# Allegro board 8880F5-0823_1_redwan.brd (continued)
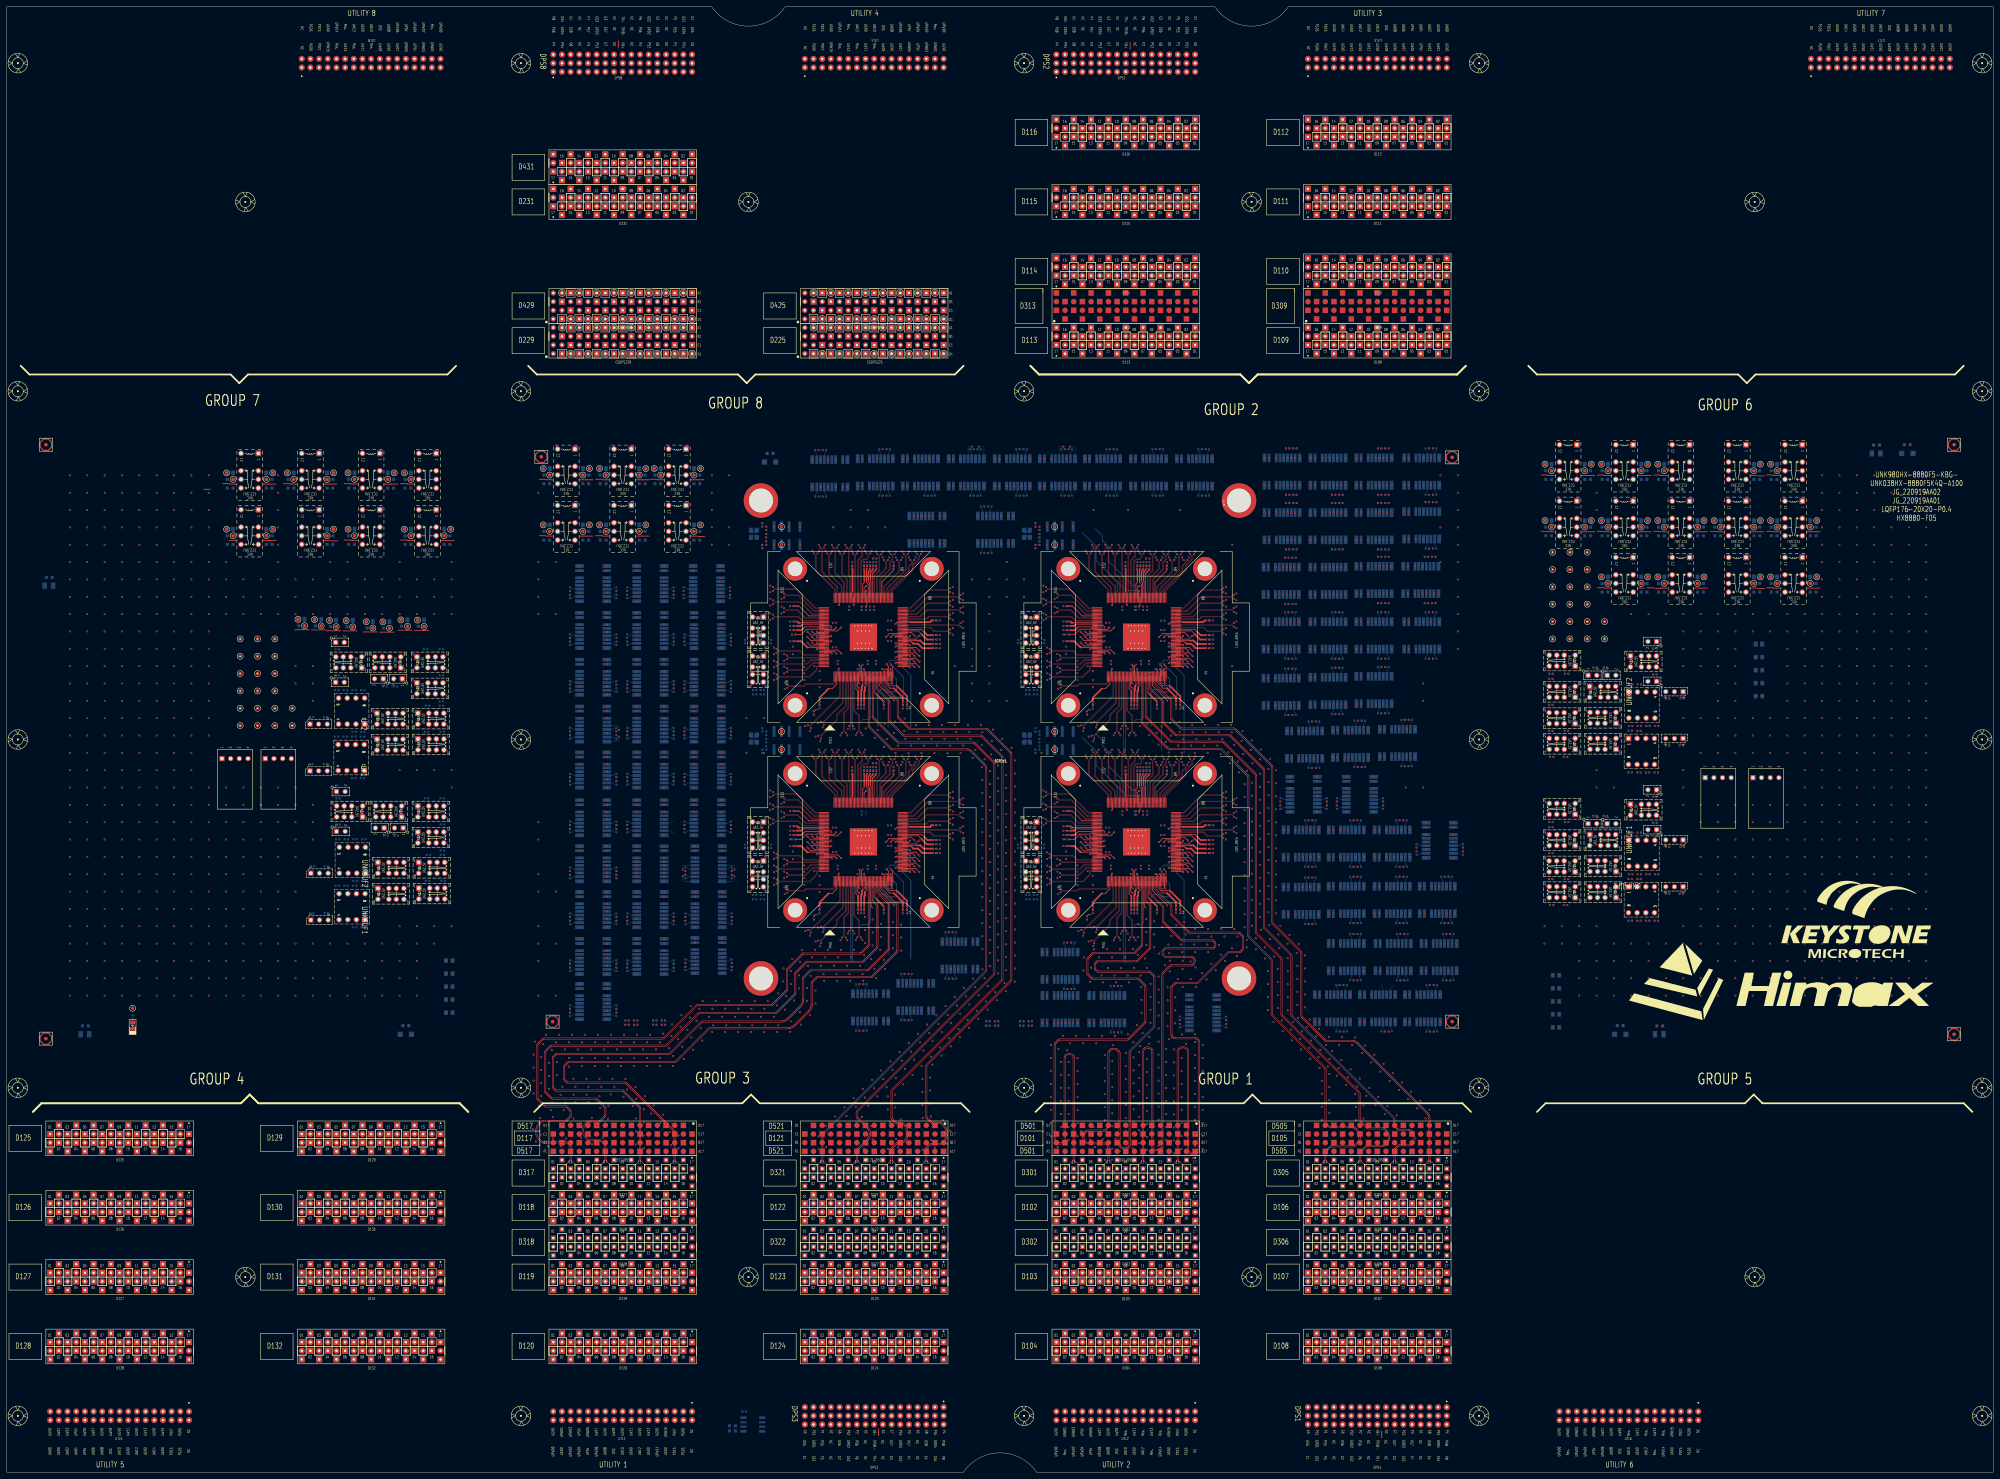
[diagram p0: board, top side]
## Routing (per net, layer and track width the routed paths; a pad name or vN(x,y) marks a point on that pad's centre or on a via; arc(x,y) is an arc through that point) (continued)
D12612: length 457
  TOP w0.086: v1(246.65,218.55) 247.11,219 247.11,231.4 247.03,231.48 SITE1.13
  L03_SIGNAL w0.071: D126.12 39.6,79.78 38.35,79.78 37.48,80.65 37.48,85.29 39.34,87.15 54.21,87.15 61.45,94.39 61.45,117.44 49.94,128.95 49.94,198.03 85.73,233.83 194.82,233.83 196.62,232.02 196.62,230.52 196.37,230.27 195.73,230.27 v1(195.26,230.74)
  L28_SIGNAL w0.071: v1(246.65,218.55) 247.13,218.07 247.13,217.56 246.77,217.2 246.09,217.2 245.71,217.59 243.47,217.59 242.38,216.5 236.74,216.5 235.37,215.13 214.6,215.13 212.49,213.02 167.41,213.02 165.61,214.81 165.61,224.86 167.03,226.28 195.25,226.28 196.93,227.95 196.93,229.52 196.18,230.27 195.73,230.27 v1(195.26,230.74)
D12613: length 457
  TOP w0.086: SITE1.10 245.83,231.48 245.75,231.4 245.75,224.32 243.1,221.66 243.1,220.24 238.42,215.56 v1(238.42,214.92)
  L03_SIGNAL w0.071: D126.13 45.23,74.15 45.23,71.86 47.21,69.88 52.15,69.88 66.84,84.58 66.84,190.42 85.18,208.76 85.18,221.34 87.45,223.61 105.31,223.61 108.02,226.32 165.38,226.32 169.14,230.07 173.48,230.07 174.33,230.92 176.17,230.92 177.02,230.07 178.03,230.07 v2(178.5,229.6)
  L28_SIGNAL w0.071: v2(178.5,229.6) 178.97,230.07 179.34,230.07 179.72,229.69 179.72,229.07 179.3,228.65 141.59,228.65 138.15,225.21 138.15,214.82 142.65,210.31 157.67,210.31 159.06,211.71 214.09,211.71 215.64,213.25 236.09,213.25 237.75,214.92 v1(238.42,214.92)
D12614: length 457
  TOP w0.086: v1(245.68,216.6) 245.23,217.05 245.23,222.4 246.55,223.72 246.55,231.4 246.63,231.48 SITE1.12
  L03_SIGNAL w0.071: v2(164.91,229.6) 165.38,230.07 166.05,230.07 166.4,230.42 166.4,231.75 165.93,232.22 131.47,232.22 128.63,229.38 87.29,229.38 73.92,216.01 73.92,209.06 54.81,189.94 54.81,128.57 64.18,119.21 64.18,94.46 54.19,84.47 48.34,84.47 46.76,82.89 46.76,79.78 D126.14
  L28_SIGNAL w0.071: v2(164.91,229.6) 165.38,230.07 165.85,230.07 166.65,230.86 166.65,233 165.81,233.83 135.49,233.83 131.77,230.11 131.77,213.89 136.36,209.3 158.83,209.3 159.56,210.03 214.63,210.03 217.06,212.46 242.86,212.46 245.21,214.8 245.21,216.12 v1(245.68,216.6)
D12615: length 457
  TOP w0.086: SITE1.9 245.43,231.48 245.51,231.4 245.51,224.41 242.86,221.76 242.86,220.34 238.25,215.73 v1(237.61,215.73)
  L03_SIGNAL w0.071: v2(178.5,230.74) 178.03,230.27 177.1,230.27 176.25,231.12 174.25,231.12 173.4,230.27 169.05,230.27 165.3,226.51 107.94,226.51 105.23,223.81 87.37,223.81 84.98,221.42 84.98,208.84 66.65,190.5 66.65,84.66 52.06,70.08 47.29,70.08 45.43,71.94 45.43,74.01 46.56,75.14 47.2,75.14 D126.15
  L28_SIGNAL w0.071: v1(237.61,215.73) 237.61,215.06 236,213.45 215.56,213.45 214.01,211.9 158.98,211.9 157.58,210.51 142.73,210.51 138.35,214.9 138.35,225.13 141.67,228.45 179.38,228.45 179.92,228.99 179.92,229.77 179.42,230.27 178.97,230.27 v2(178.5,230.74)
D12616: length 457
  TOP w0.086: SITE1.11 246.23,231.48 246.31,231.4 246.31,223.82 244.99,222.5 244.99,217.05 v1(244.54,216.6)
  L03_SIGNAL w0.071: D126.16 49.71,79.83 47.2,79.83 46.95,80.08 46.95,82.8 48.42,84.27 54.27,84.27 64.37,94.37 64.37,119.29 55.01,128.66 55.01,189.86 74.12,208.98 74.12,215.93 87.37,229.18 128.71,229.18 131.55,232.02 165.85,232.02 166.2,231.67 166.2,230.5 165.97,230.27 165.38,230.27 v2(164.91,230.74)
  L28_SIGNAL w0.071: v2(164.91,230.74) 165.38,230.27 165.77,230.27 166.45,230.94 166.45,232.91 165.73,233.63 135.57,233.63 131.97,230.03 131.97,213.97 136.44,209.5 158.74,209.5 159.48,210.23 214.55,210.23 216.97,212.65 242.78,212.65 245.01,214.89 245.01,216.12 v1(244.54,216.6)
D12901: length 413.5
  TOP w0.086: SITE3.175 237.68,176.43 237.6,176.35 237.38,176.35 237.01,175.98 237.01,175.08 235.09,173.16 225.91,173.16 v1(225.46,173.61)
  L03_SIGNAL w0.071: D129.01 87.74,95.14 89.35,95.14 89.62,94.86 89.62,92.63 87.22,90.23 84.49,90.23 81.33,93.39 81.33,169.51 92.44,180.62 197.15,180.62 200.7,177.07 200.7,176.28 200.08,175.66 199.16,175.66 v1(198.69,176.13)
  L28_SIGNAL w0.071: v1(198.69,176.13) 199.16,175.66 200.38,175.66 201.76,174.27 201.76,173.32 200.18,171.74 173.69,171.74 171.54,173.89 132.04,173.89 131.59,173.43 131.59,171.94 132.19,171.34 211.21,171.34 213.14,169.41 221.85,169.41 222.72,170.28 222.72,172.09 223.77,173.14 224.98,173.14 v1(225.46,173.61)
D12902: length 413.5
  TOP w0.086: v1(228.38,178.12) 228.77,178.5 237.61,178.5 237.68,178.43 SITE3.170
  L03_SIGNAL w0.071: v1(198.69,161.52) 199.16,162 199.44,162 199.91,162.47 199.91,168.58 196.26,172.24 162.48,172.24 161.65,173.07 95.9,173.07 87.16,164.33 87.16,111.42 90.85,107.73 90.85,101.01 D129.02
  L28_SIGNAL w0.071: v1(198.69,161.52) 199.16,162 200.16,162 203.24,158.92 216.51,158.92 225.71,168.12 227.88,168.12 229.82,170.06 229.82,171.64 229.38,172.08 227.61,172.08 226.3,173.39 226.3,174.33 225.62,175.01 224.39,175.01 222.18,177.23 217.51,177.23 213.98,173.7 207.44,173.7 203.45,177.68 196.52,177.68 193.04,181.16 167.13,181.16 163.65,184.64 163.65,195.45 169.63,201.43 213.01,201.43 219.9,194.54 219.9,182.14 223.46,178.59 227.91,178.59 v1(228.38,178.12)
D12903: length 413.5
  TOP w0.086: v1(225.46,172.46) 225.91,172.92 235.19,172.92 237.25,174.98 237.25,175.88 237.48,176.11 237.6,176.11 237.68,176.03 SITE3.176
  L03_SIGNAL w0.071: D129.03 89.82,94.9 89.82,92.55 87.3,90.03 84.4,90.03 81.13,93.3 81.13,169.59 92.36,180.82 197.23,180.82 200.9,177.15 200.9,176.2 200.16,175.46 199.16,175.46 v1(198.69,174.99)
  L28_SIGNAL w0.071: v1(198.69,174.99) 199.16,175.46 200.29,175.46 201.56,174.19 201.56,173.4 200.09,171.94 173.77,171.94 171.62,174.09 131.96,174.09 131.39,173.52 131.39,171.86 132.11,171.14 211.12,171.14 213.05,169.21 221.93,169.21 222.92,170.2 222.92,172.01 223.85,172.94 224.98,172.94 v1(225.46,172.46)
D12904: length 413.5
  TOP w0.086: SITE3.169 237.68,178.83 237.59,178.74 228.9,178.74 v1(228.38,179.26)
  L03_SIGNAL w0.071: v1(198.69,162.67) 199.16,162.2 199.35,162.2 199.71,162.55 199.71,168.5 196.18,172.04 162.4,172.04 161.57,172.87 95.99,172.87 87.36,164.24 87.36,111.5 91.05,107.81 91.05,101.09 91.4,100.73 92.31,100.73 D129.04
  L28_SIGNAL w0.071: v1(228.38,179.26) 227.91,178.79 227.49,178.79 223.54,178.79 220.1,182.23 220.1,194.62 213.09,201.63 169.55,201.63 163.45,195.53 163.45,184.55 167.04,180.96 192.96,180.96 196.43,177.49 203.37,177.49 207.35,173.5 214.06,173.5 217.59,177.03 222.1,177.03 224.31,174.82 225.54,174.82 226.1,174.25 226.1,173.3 227.52,171.88 229.3,171.88 229.62,171.56 229.62,170.14 227.8,168.32 225.63,168.32 216.43,159.12 203.32,159.12 200.24,162.2 199.16,162.2 v1(198.69,162.67)
D12905: length 413.5
  TOP w0.086: v1(225.39,176.18) 225.85,176.63 234.38,176.63 235.46,177.71 237.6,177.71 237.68,177.63 SITE3.172
  L03_SIGNAL w0.071: v1(212.28,174.99) 211.81,175.46 210.61,175.46 203.43,182.64 108.95,182.64 106.98,184.61 91.02,184.61 76.66,170.25 76.66,91.78 81.25,87.19 95.17,87.19 99.39,91.42 99.39,94.69 99.02,95.07 97.97,95.07 D129.05
  L28_SIGNAL w0.071: v1(225.39,176.18) 224.92,176.65 223.64,176.65 222.52,177.77 220.56,177.77 219.7,178.63 219.7,180.12 218.66,181.17 216.8,181.17 215.39,182.58 215.39,194.69 211.11,198.97 169.98,198.97 169.06,198.04 169.06,186.49 171.13,184.42 210.61,184.42 215.24,179.8 215.24,176.44 214.26,175.46 212.75,175.46 v1(212.28,174.99)
D12906: length 413.5
  TOP w0.086: v1(228.4,174.39) 228.85,174.85 234.04,174.85 236.1,176.91 237.6,176.91 237.68,176.83 SITE3.174
  L03_SIGNAL w0.071: D129.06 100.99,100.99 100.99,153.39 112.74,165.14 182.31,165.14 183.11,164.34 183.11,162.39 182.72,162 182.15,162 v1(181.67,161.52)
  L28_SIGNAL w0.071: v1(181.67,161.52) 182.15,162 183.29,162 185.6,164.3 185.6,165.07 185,165.66 118.89,165.66 118.01,166.54 118.01,205.13 119.16,206.28 222.41,206.28 225.8,202.89 225.8,191.4 228,189.2 228,181.65 229.36,180.29 229.36,177.55 228.92,177.12 227.34,177.12 226.81,176.59 226.81,175.35 227.29,174.87 227.93,174.87 v1(228.4,174.39)
D12907: length 413.5
  TOP w0.086: SITE3.171 237.68,178.03 237.6,177.95 235.37,177.95 234.29,176.87 225.85,176.87 v1(225.39,177.32)
  L03_SIGNAL w0.071: v1(212.28,176.13) 211.81,175.66 210.69,175.66 203.51,182.84 109.04,182.84 107.06,184.81 90.94,184.81 76.46,170.34 76.46,91.7 81.17,86.99 95.25,86.99 99.59,91.33 99.59,94.51 D129.07
  L28_SIGNAL w0.071: v1(225.39,177.32) 224.92,176.85 223.72,176.85 222.6,177.97 220.65,177.97 219.9,178.71 219.9,180.2 218.74,181.36 216.88,181.36 215.58,182.66 215.58,194.78 211.19,199.17 169.9,199.17 168.86,198.13 168.86,186.41 171.04,184.23 210.53,184.23 215.04,179.71 215.04,176.52 214.17,175.66 212.75,175.66 v1(212.28,176.13)
D12908: length 413.5
  TOP w0.086: SITE3.173 237.68,177.23 237.6,177.15 236,177.15 233.94,175.08 228.85,175.08 v1(228.4,175.54)
  L03_SIGNAL w0.071: v1(181.67,162.67) 182.15,162.2 182.64,162.2 182.91,162.47 182.91,164.26 182.23,164.94 112.82,164.94 101.19,153.31 101.19,101.06 101.69,100.57 102.63,100.57 D129.08
  L28_SIGNAL w0.071: v1(228.4,175.54) 227.93,175.06 227.38,175.06 227.01,175.44 227.01,176.5 227.42,176.92 229,176.92 229.55,177.47 229.55,180.37 228.19,181.73 228.19,189.29 226,191.48 226,202.97 222.5,206.48 119.08,206.48 117.81,205.21 117.81,166.45 118.8,165.46 184.92,165.46 185.4,164.98 185.4,164.38 183.21,162.2 182.15,162.2 v1(181.67,162.67)
D12909: length 457
  TOP w0.086: SITE3.12 246.63,171.48 246.55,171.4 246.55,163.72 245.23,162.4 245.23,157.05 v1(245.68,156.6)
  L03_SIGNAL w0.071: D129.09 108.77,94.43 108.77,91.4 110.78,89.39 128.28,89.39 132.5,93.61 132.5,138.32 145.35,151.16 177.31,151.16 180.2,148.28 181.2,148.28 v1(181.67,147.81)
  L28_SIGNAL w0.071: v1(245.68,156.6) 245.21,156.12 245.21,155.03 244.78,154.6 243.79,154.6 243.16,155.24 243.16,158.77 244.28,159.88 262.53,159.88 265,162.36 265,202.47 264.3,203.17 240.75,203.17 239.1,201.52 239.1,163.6 235.47,159.98 232.06,159.98 229.77,157.69 153.2,157.69 152.72,157.21 152.72,156.16 153.24,155.64 199.73,155.64 200.04,155.95 203.96,155.95 204.88,155.03 204.88,152.31 204.1,151.52 186.79,151.52 183.55,148.28 182.15,148.28 v1(181.67,147.81)
D12910: length 413.5
  TOP w0.086: SITE3.2 242.63,171.48 242.55,171.4 242.55,171.18 242.13,170.76 234.03,170.76 233.52,170.25 228.97,170.25 v1(228.51,169.79)
  L03_SIGNAL w0.071: D129.10 111.59,101.43 111.59,106.32 113.23,107.96 113.23,157.14 112.86,157.51 111.56,157.51 111.06,157.01 111.06,108.91 110.39,108.25 108.83,108.25 107.9,109.18 107.9,153.05 107.39,153.56 106.62,153.56 105.93,152.88 105.93,107.81 105.34,107.22 104.22,107.22 103.53,107.92 103.53,152.49 109.9,158.86 196.59,158.86 197.58,159.85 197.58,161.18 196.76,162 195.73,162 v1(195.26,161.52)
  L28_SIGNAL w0.071: v1(228.51,169.79) 228.04,170.26 225.32,170.26 214.99,159.94 210.2,159.94 204.61,165.53 198.72,165.53 197.16,163.97 197.16,162.6 196.56,162 195.73,162 v1(195.26,161.52)
D12911: length 457
  TOP w0.086: SITE3.11 246.23,171.48 246.31,171.4 246.31,163.82 244.99,162.5 244.99,157.05 v1(244.54,156.6)
  L03_SIGNAL w0.071: v1(181.67,148.95) 181.2,148.48 180.28,148.48 177.4,151.36 145.27,151.36 132.31,138.4 132.31,93.69 128.2,89.59 110.86,89.59 108.96,91.49 108.96,94.36 109.31,94.71 109.95,94.71 D129.11
  L28_SIGNAL w0.071: v1(244.54,156.6) 245.01,156.12 245.01,155.11 244.7,154.8 243.88,154.8 243.36,155.32 243.36,158.68 244.36,159.68 262.61,159.68 265.2,162.27 265.2,202.55 264.38,203.37 240.67,203.37 238.9,201.6 238.9,163.68 235.39,160.17 231.97,160.17 229.69,157.89 153.12,157.89 152.52,157.29 152.52,156.08 153.16,155.44 199.81,155.44 200.13,155.76 203.88,155.76 204.68,154.95 204.68,152.39 204.02,151.72 186.71,151.72 183.47,148.48 182.15,148.48 v1(181.67,148.95)
D12912: length 413.5
  TOP w0.086: SITE3.1 242.23,171.48 242.31,171.4 242.31,171.28 242.03,171 233.93,171 233.42,170.49 228.95,170.49 v1(228.51,170.93)
  L03_SIGNAL w0.071: D129.12 111.78,101.58 111.78,106.23 113.43,107.88 113.43,157.22 112.94,157.71 111.48,157.71 110.86,157.09 110.86,109 110.31,108.45 108.91,108.45 108.1,109.26 108.1,153.13 107.47,153.76 106.53,153.76 105.73,152.96 105.73,107.89 105.26,107.42 104.31,107.42 103.72,108 103.72,152.41 109.98,158.66 196.67,158.66 197.78,159.77 197.78,161.26 196.84,162.2 195.73,162.2 v1(195.26,162.67)
  L28_SIGNAL w0.071: v1(195.26,162.67) 195.73,162.2 196.47,162.2 196.96,162.69 196.96,164.05 198.63,165.72 204.69,165.72 210.28,160.13 214.91,160.13 225.24,170.46 228.04,170.46 v1(228.51,170.93)
D12913: length 457
  TOP w0.086: v1(239.21,158.99) 239.21,159.63 244.95,165.37 244.95,171.4 245.03,171.48 SITE3.8
  L03_SIGNAL w0.071: v1(198.69,148.06) 198.22,148.53 197.78,148.53 192.7,153.62 140.72,153.62 129.69,142.58 129.69,94.01 126.98,91.3 119.86,91.3 117.99,93.17 117.99,95.37 D129.13
  L28_SIGNAL w0.071: v1(239.21,158.99) 238.54,158.99 238.11,158.56 237.32,158.56 236.69,159.2 236.69,160.57 240.22,164.1 240.22,200.99 241.6,202.37 262.54,202.37 263,201.92 263,201.01 262.61,200.62 241.91,200.62 241.33,200.05 241.33,199.25 241.89,198.69 262.87,198.69 263.34,198.22 263.34,197.07 262.66,196.39 242.79,196.39 241.83,195.44 241.83,194.31 242.39,193.75 262.59,193.75 263.25,193.09 263.25,191.96 262.58,191.28 243.04,191.28 242.47,190.71 242.47,189.99 242.76,189.7 255.88,189.7 256.69,188.89 256.69,187.82 255.87,187 244.91,187 244.21,186.3 244.21,185.21 244.75,184.68 246.69,184.68 247.77,183.6 247.77,181.31 246.95,180.49 242.77,180.49 242.39,180.1 242.39,164.5 240.12,162.24 240.12,158.29 239.24,157.4 237.41,157.4 235.43,159.37 232.97,159.37 230.23,156.63 214.52,156.63 205.59,147.7 201.36,147.7 200.53,148.53 199.16,148.53 v1(198.69,148.06)
D12914: length 413.5
  TOP w0.086: SITE3.168 237.68,179.23 237.6,179.31 233.34,179.31 232.15,180.5 225.84,180.5 v1(225.36,180.02)
  L03_SIGNAL w0.071: D129.14 120.95,100.63 121.22,100.63 122.02,101.43 122.02,145.08 134.32,157.38 210.59,157.38 213.97,160.77 213.97,161.56 213.53,162 212.75,162 v1(212.28,161.52)
  L28_SIGNAL w0.071: v1(212.28,161.52) 212.75,162 213.52,162 214.18,162.66 214.18,165.74 212.18,167.73 130.66,167.73 128.92,169.47 123.38,169.47 122.37,170.49 122.37,195.8 130.85,204.28 215.91,204.28 222.75,197.44 222.75,181.89 224.15,180.49 224.89,180.49 v1(225.36,180.02)
D12915: length 457
  TOP w0.086: v1(238.4,159.8) 239.04,159.8 244.71,165.47 244.71,171.4 244.63,171.48 SITE3.7
  L03_SIGNAL w0.071: v1(198.69,149.21) 198.22,148.73 197.86,148.73 192.78,153.81 140.64,153.81 129.49,142.66 129.49,94.09 126.9,91.5 119.94,91.5 118.19,93.25 118.19,94.37 119.25,95.43 120.83,95.43 D129.15
  L28_SIGNAL w0.071: v1(198.69,149.21) 199.16,148.73 200.61,148.73 201.45,147.9 205.51,147.9 214.44,156.83 230.15,156.83 232.89,159.57 235.51,159.57 237.49,157.6 239.15,157.6 239.93,158.37 239.93,162.32 242.19,164.59 242.19,180.19 242.69,180.69 246.87,180.69 247.57,181.39 247.57,183.51 246.61,184.48 244.67,184.48 244.02,185.13 244.02,186.38 244.83,187.2 255.79,187.2 256.49,187.9 256.49,188.81 255.8,189.5 242.67,189.5 242.27,189.9 242.27,190.8 242.95,191.48 262.49,191.48 263.06,192.04 263.06,193.01 262.51,193.56 242.3,193.56 241.64,194.22 241.64,195.52 242.71,196.59 262.58,196.59 263.14,197.15 263.14,198.14 262.79,198.49 241.81,198.49 241.14,199.16 241.14,200.13 241.83,200.82 262.53,200.82 262.8,201.09 262.8,201.84 262.46,202.17 241.68,202.17 240.42,200.91 240.42,164.02 236.89,160.49 236.89,159.28 237.41,158.76 238.03,158.76 238.4,159.13 v1(238.4,159.8)
D12916: length 413.5
  TOP w0.086: SITE3.167 237.68,179.63 237.6,179.55 233.44,179.55 232.25,180.74 225.78,180.74 v1(225.36,181.16)
  L03_SIGNAL w0.071: v1(212.28,162.67) 212.75,162.2 213.61,162.2 214.17,161.64 214.17,160.68 210.67,157.19 134.4,157.19 122.22,145 122.22,101.3 D129.16
  L28_SIGNAL w0.071: v1(225.36,181.16) 224.89,180.69 224.23,180.69 222.95,181.97 222.95,197.53 215.99,204.48 130.77,204.48 122.17,195.88 122.17,170.41 123.3,169.27 128.84,169.27 130.58,167.54 212.1,167.54 213.98,165.65 213.98,162.74 213.44,162.2 212.75,162.2 v1(212.28,162.67)
D13009: length 457
  TOP w0.086: SITE3.16 248.23,171.48 248.15,171.4 248.15,163.18 249.68,161.65 249.68,157.05 v1(250.13,156.61)
  L03_SIGNAL w0.071: v1(164.91,134.6) 164.44,135.07 148.78,135.07 143.26,129.55 143.26,77.87 132.85,67.46 110.87,67.46 108.85,69.49 108.85,74.03 D130.09
  L28_SIGNAL w0.071: v1(250.13,156.61) 249.66,156.13 249.66,151.5 250.96,150.21 250.96,148.14 249.66,146.84 249.66,144.13 243.83,138.3 243.83,128.76 248.29,124.29 251.81,124.29 253.06,123.04 253.06,118.69 251.66,117.28 175.62,117.28 174.99,116.65 174.99,114.89 175.87,114.01 252.56,114.01 253.42,113.15 253.42,112.06 252.61,111.25 174.58,111.25 169.97,115.86 169.97,131.74 166.64,135.07 165.38,135.07 v1(164.91,134.6)
D13010: length 457
  TOP w0.086: SITE3.10 245.83,171.48 245.75,171.4 245.75,164.32 243.1,161.66 243.1,160.24 238.42,155.56 v1(238.42,154.92)
  L03_SIGNAL w0.071: D130.10 111.61,81.13 111.61,86.27 113.54,88.2 130.09,88.2 135.56,93.67 135.56,135.08 144.95,144.47 195.01,144.47 196.72,146.18 196.72,147.61 196.05,148.28 195.73,148.28 v1(195.26,147.81)
  L28_SIGNAL w0.071: v1(195.26,147.81) 195.73,148.28 196.56,148.28 196.9,147.94 196.9,145.87 197.42,145.35 209.55,145.35 210.49,144.42 210.49,143.17 209.75,142.43 142.02,142.43 140.83,141.24 140.83,139.08 141.81,138.09 202.4,138.09 205.8,134.69 230.56,134.69 231.94,136.08 237.07,136.08 239.52,138.53 239.52,139.64 238.61,140.55 228.99,140.55 228.04,141.5 228.04,142.84 228.86,143.66 238.08,143.66 238.7,144.28 238.7,145.41 237.83,146.28 228.45,146.28 228.2,146.54 228.2,147.13 228.61,147.54 244.77,147.54 245.32,148.09 245.32,148.63 244.66,149.29 233.75,149.29 233.32,148.85 228.21,148.85 227.49,149.57 227.49,150.9 227.97,151.37 239.5,151.37 239.87,151.74 239.87,152.35 239.38,152.84 237.96,152.84 237.09,153.71 237.09,154.26 237.75,154.92 v1(238.42,154.92)
D13011: length 457
  TOP w0.086: v1(248.99,156.61) 249.45,157.06 249.45,161.55 247.91,163.08 247.91,171.4 247.83,171.48 SITE3.15
  L03_SIGNAL w0.071: D130.11 110.56,75 109.79,75 109.05,74.25 109.05,69.57 110.95,67.66 132.77,67.66 143.06,77.96 143.06,129.63 148.7,135.27 164.44,135.27 v1(164.91,135.74)
  L28_SIGNAL w0.071: v1(164.91,135.74) 165.38,135.27 166.73,135.27 170.17,131.82 170.17,115.94 174.66,111.45 252.53,111.45 253.22,112.14 253.22,113.07 252.47,113.81 175.79,113.81 174.79,114.8 174.79,116.73 175.54,117.48 251.57,117.48 252.87,118.77 252.87,122.96 251.73,124.1 248.21,124.1 243.63,128.68 243.63,138.38 249.46,144.22 249.46,146.92 250.76,148.22 250.76,150.12 249.46,151.42 249.46,156.13 v1(248.99,156.61)
D13012: length 457
  TOP w0.086: v1(237.61,155.73) 238.25,155.73 242.86,160.34 242.86,161.76 245.51,164.41 245.51,171.4 245.43,171.48 SITE3.9
  L03_SIGNAL w0.071: v1(195.26,148.95) 195.73,148.48 196.13,148.48 196.92,147.69 196.92,146.1 195.1,144.27 145.04,144.27 135.76,134.99 135.76,93.59 130.17,88 113.62,88 111.8,86.18 111.8,81.24 D130.12
  L28_SIGNAL w0.071: v1(237.61,155.73) 237.61,155.06 236.89,154.34 236.89,153.63 237.88,152.64 239.3,152.64 239.67,152.27 239.67,151.82 239.42,151.57 227.88,151.57 227.3,150.98 227.3,149.49 228.13,148.66 233.4,148.66 233.83,149.09 244.58,149.09 245.12,148.55 245.12,148.18 244.68,147.74 228.53,147.74 228,147.21 228,146.45 228.37,146.08 237.74,146.08 238.5,145.33 238.5,144.37 238,143.86 228.78,143.86 227.84,142.93 227.84,141.42 228.91,140.35 238.53,140.35 239.32,139.56 239.32,138.61 236.99,136.28 231.86,136.28 230.48,134.89 205.88,134.89 202.48,138.29 141.89,138.29 141.03,139.16 141.03,141.15 142.1,142.23 209.83,142.23 210.68,143.08 210.68,144.5 209.64,145.55 197.5,145.55 197.1,145.95 197.1,148.02 196.64,148.48 195.73,148.48 v1(195.26,148.95)
D13013: length 457
  TOP w0.086: SITE3.14 247.43,171.48 247.35,171.4 247.35,159 v1(247.8,158.55)
  L03_SIGNAL w0.071: v1(178.5,134.6) 178.03,135.07 176.57,135.07 171.01,140.63 150.58,140.63 140.53,130.59 140.53,81.26 128.8,69.52 120.69,69.52 118.93,71.28 118.93,74.11 D130.13
  L28_SIGNAL w0.071: v1(178.5,134.6) 178.97,135.07 198.26,135.07 199.22,134.12 199.22,130.93 198.21,129.92 172.89,129.92 171.98,129.01 171.98,127.89 173.18,126.69 194.18,126.69 195.17,125.7 238.68,125.7 239.61,124.77 239.61,123.78 238.94,123.11 173.76,123.11 172.98,122.33 172.98,121.1 173.8,120.28 248.69,120.28 249.36,120.95 249.36,122.51 248.86,123.01 245.56,123.01 241.38,127.18 241.38,139.2 248.24,146.06 248.24,151.68 247.33,152.59 247.33,158.07 v1(247.8,158.55)
D13014: length 457
  TOP w0.086: v1(235.41,157.99) 235.41,158.63 244.15,167.37 244.15,171.4 244.23,171.48 SITE3.6
  L03_SIGNAL w0.071: D130.14 121.78,81.14 121.78,85.45 122.77,86.44 131.57,86.44 138.29,93.15 138.29,133.36 147.33,142.41 201.57,142.41 207.82,136.16 207.82,132.65 203.86,128.69 195.76,128.69 194.77,129.68 154.16,129.68 152.72,128.25 152.72,125.87 154.12,124.48 158.24,124.48 158.84,125.07 195.65,125.07 196.67,126.1 198.95,126.1 199.73,125.32 199.73,121.28 198.6,120.15 163.61,120.15 162.75,121.01 158.29,121.01 157.43,120.15 148.87,120.15 148.12,119.4 148.12,117.88 148.79,117.21 208.99,117.21 212.04,120.26 212.04,136.38 214.39,138.72 214.39,147.85 213.7,148.53 212.75,148.53 v1(212.28,148.06)
  L28_SIGNAL w0.071: v1(235.41,157.99) 234.74,157.99 232.54,155.79 220.92,155.79 213.66,148.53 212.75,148.53 v1(212.28,148.06)
D13015: length 457
  TOP w0.086: SITE3.13 247.03,171.48 247.11,171.4 247.11,159 v1(246.65,158.55)
  L03_SIGNAL w0.071: v1(178.5,135.74) 178.03,135.27 176.65,135.27 171.09,140.83 150.5,140.83 140.34,130.67 140.34,81.34 128.71,69.72 120.78,69.72 119.13,71.37 119.13,74.04 119.47,74.38 120.1,74.38 D130.15
  L28_SIGNAL w0.071: v1(178.5,135.74) 178.97,135.27 198.34,135.27 199.41,134.2 199.41,130.85 198.29,129.73 172.98,129.73 172.18,128.93 172.18,127.97 173.26,126.89 194.26,126.89 195.25,125.9 238.76,125.9 239.81,124.85 239.81,123.7 239.02,122.91 173.85,122.91 173.18,122.25 173.18,121.18 173.88,120.48 248.61,120.48 249.16,121.03 249.16,122.43 248.78,122.81 245.47,122.81 241.19,127.1 241.19,139.28 248.04,146.14 248.04,151.6 247.13,152.51 247.13,158.07 v1(246.65,158.55)
D13016: length 457
  TOP w0.086: SITE3.5 243.83,171.48 243.91,171.4 243.91,167.47 235.24,158.8 v1(234.6,158.8)
  L03_SIGNAL w0.071: D130.16 121.98,81.22 121.98,85.36 122.85,86.24 131.65,86.24 138.49,93.07 138.49,133.28 147.41,142.21 201.49,142.21 207.62,136.08 207.62,132.73 203.78,128.88 195.84,128.88 194.85,129.88 154.07,129.88 152.52,128.33 152.52,125.79 154.04,124.28 158.33,124.28 158.93,124.88 195.73,124.88 196.75,125.9 198.87,125.9 199.53,125.23 199.53,121.37 198.51,120.35 163.69,120.35 162.83,121.21 158.21,121.21 157.35,120.35 148.79,120.35 147.92,119.48 147.92,117.8 148.7,117.02 209.08,117.02 212.24,120.18 212.24,136.29 214.59,138.64 214.59,147.93 213.78,148.73 212.75,148.73 v1(212.28,149.21)
  L28_SIGNAL w0.071: v1(212.28,149.21) 212.75,148.73 213.58,148.73 220.83,155.99 232.46,155.99 234.6,158.13 v1(234.6,158.8)
D30102: length 192.4
  TOP w0.147: D301.02 312.01,91.03 arc(312.17,91.27) 312.23,91.55 312.23,121.52 arc(312.18,121.76) 312.04,121.97 arc(311.63,122.25) 311.14,122.34 arc(310.63,122.24) 310.2,121.95 arc(310.05,121.72) 309.99,121.45 309.99,97.48 arc(309.9,97.01) 309.63,96.61 arc(309.04,96.22) 308.34,96.08 arc(307.63,96.22) 307.03,96.62 307.03,96.62 arc(306.75,97.03) 306.66,97.52 306.66,125.17 arc(306.74,125.57) 306.96,125.91 307.69,126.63 arc(308.03,126.86) 308.43,126.94 328.08,126.94 arc(328.21,126.97) 328.32,127.04 333.1,131.82 arc(333.18,131.93) 333.2,132.06 333.2,142.3 arc(333.18,142.43) 333.1,142.54 331.36,144.29 arc(331.25,144.36) 331.11,144.39 317.99,144.39 arc(317.71,144.44) 317.47,144.6 316.41,145.66 arc(316.25,145.9) 316.2,146.19 316.2,150.19 arc(316.25,150.47) 316.41,150.71 317.76,152.05 arc(317.99,152.21) 318.28,152.27 329.95,152.27 arc(330.08,152.3) 330.19,152.37 332.13,154.31 arc(332.21,154.42) 332.23,154.55 332.23,171.32 332.23,171.33 SITE4.26
D30104: length 192.4
  TOP w0.147: SITE4.27 332.63,171.33 332.63,171.32 332.63,154.55 arc(332.57,154.27) 332.41,154.03 330.47,152.09 arc(330.23,151.93) 329.95,151.87 318.28,151.87 arc(318.15,151.85) 318.04,151.77 316.69,150.43 arc(316.62,150.32) 316.59,150.19 316.59,146.19 arc(316.62,146.06) 316.69,145.94 317.75,144.88 arc(317.86,144.81) 317.99,144.79 331.11,144.79 arc(331.4,144.73) 331.64,144.57 333.38,142.82 arc(333.54,142.58) 333.6,142.3 333.6,132.06 arc(333.54,131.78) 333.38,131.54 328.6,126.76 arc(328.36,126.6) 328.08,126.54 308.43,126.54 arc(308.18,126.49) 307.97,126.35 307.24,125.63 arc(307.1,125.42) 307.05,125.17 307.05,97.52 arc(307.12,97.18) 307.31,96.9 307.31,96.9 arc(307.78,96.59) 308.34,96.47 arc(308.89,96.58) 309.35,96.89 arc(309.53,97.16) 309.6,97.48 309.6,121.45 arc(309.68,121.88) 309.92,122.23 arc(310.48,122.61) 311.14,122.74 arc(311.78,122.61) 312.32,122.25 arc(312.55,121.92) 312.62,121.52 312.62,91.54 arc(312.68,91.26) 312.84,91.02 D301.04
D30106: length 192.4
  TOP w0.147: D301.06 322.18,91.04 arc(322.34,91.28) 322.4,91.57 322.4,95.07 arc(322.32,95.49) 322.08,95.84 arc(321.73,96.07) 321.32,96.15 316.66,96.15 arc(316.17,96.25) 315.76,96.53 315.75,96.53 arc(315.24,97.31) 315.05,98.22 arc(315.23,99.12) 315.74,99.88 arc(316.14,100.15) 316.62,100.24 321.27,100.24 arc(321.4,100.27) 321.51,100.34 322.3,101.13 arc(322.37,101.24) 322.4,101.37 322.4,122.89 arc(322.46,123.17) 322.62,123.41 323.15,123.95 arc(323.39,124.11) 323.67,124.16 324.64,124.16 arc(324.92,124.11) 325.16,123.95 325.83,123.28 arc(325.99,123.04) 326.05,122.75 326.05,95.92 arc(326.1,95.64) 326.26,95.41 arc(326.69,95.11) 327.21,95.01 327.43,95.01 arc(327.96,95.12) 328.4,95.41 arc(328.56,95.65) 328.61,95.93 328.61,123.08 arc(328.67,123.36) 328.83,123.6 335.73,130.5 arc(335.8,130.61) 335.83,130.74 335.83,145.03 arc(335.8,145.16) 335.73,145.27 334.69,146.31 arc(334.58,146.38) 334.45,146.41 319.65,146.41 arc(319.37,146.46) 319.13,146.62 318.65,147.11 arc(318.49,147.35) 318.43,147.63 318.43,148.81 arc(318.49,149.09) 318.65,149.33 318.99,149.67 arc(319.23,149.83) 319.51,149.89 330.73,149.89 arc(330.86,149.91) 330.97,149.99 334.49,153.51 arc(334.56,153.62) 334.59,153.75 334.59,165.93 arc(334.56,166.06) 334.49,166.17 333.65,167.01 arc(333.49,167.25) 333.43,167.53 333.43,171.32 333.43,171.33 SITE4.29